# Altium PCB SK-V101-010301.PcbDoc (continued)
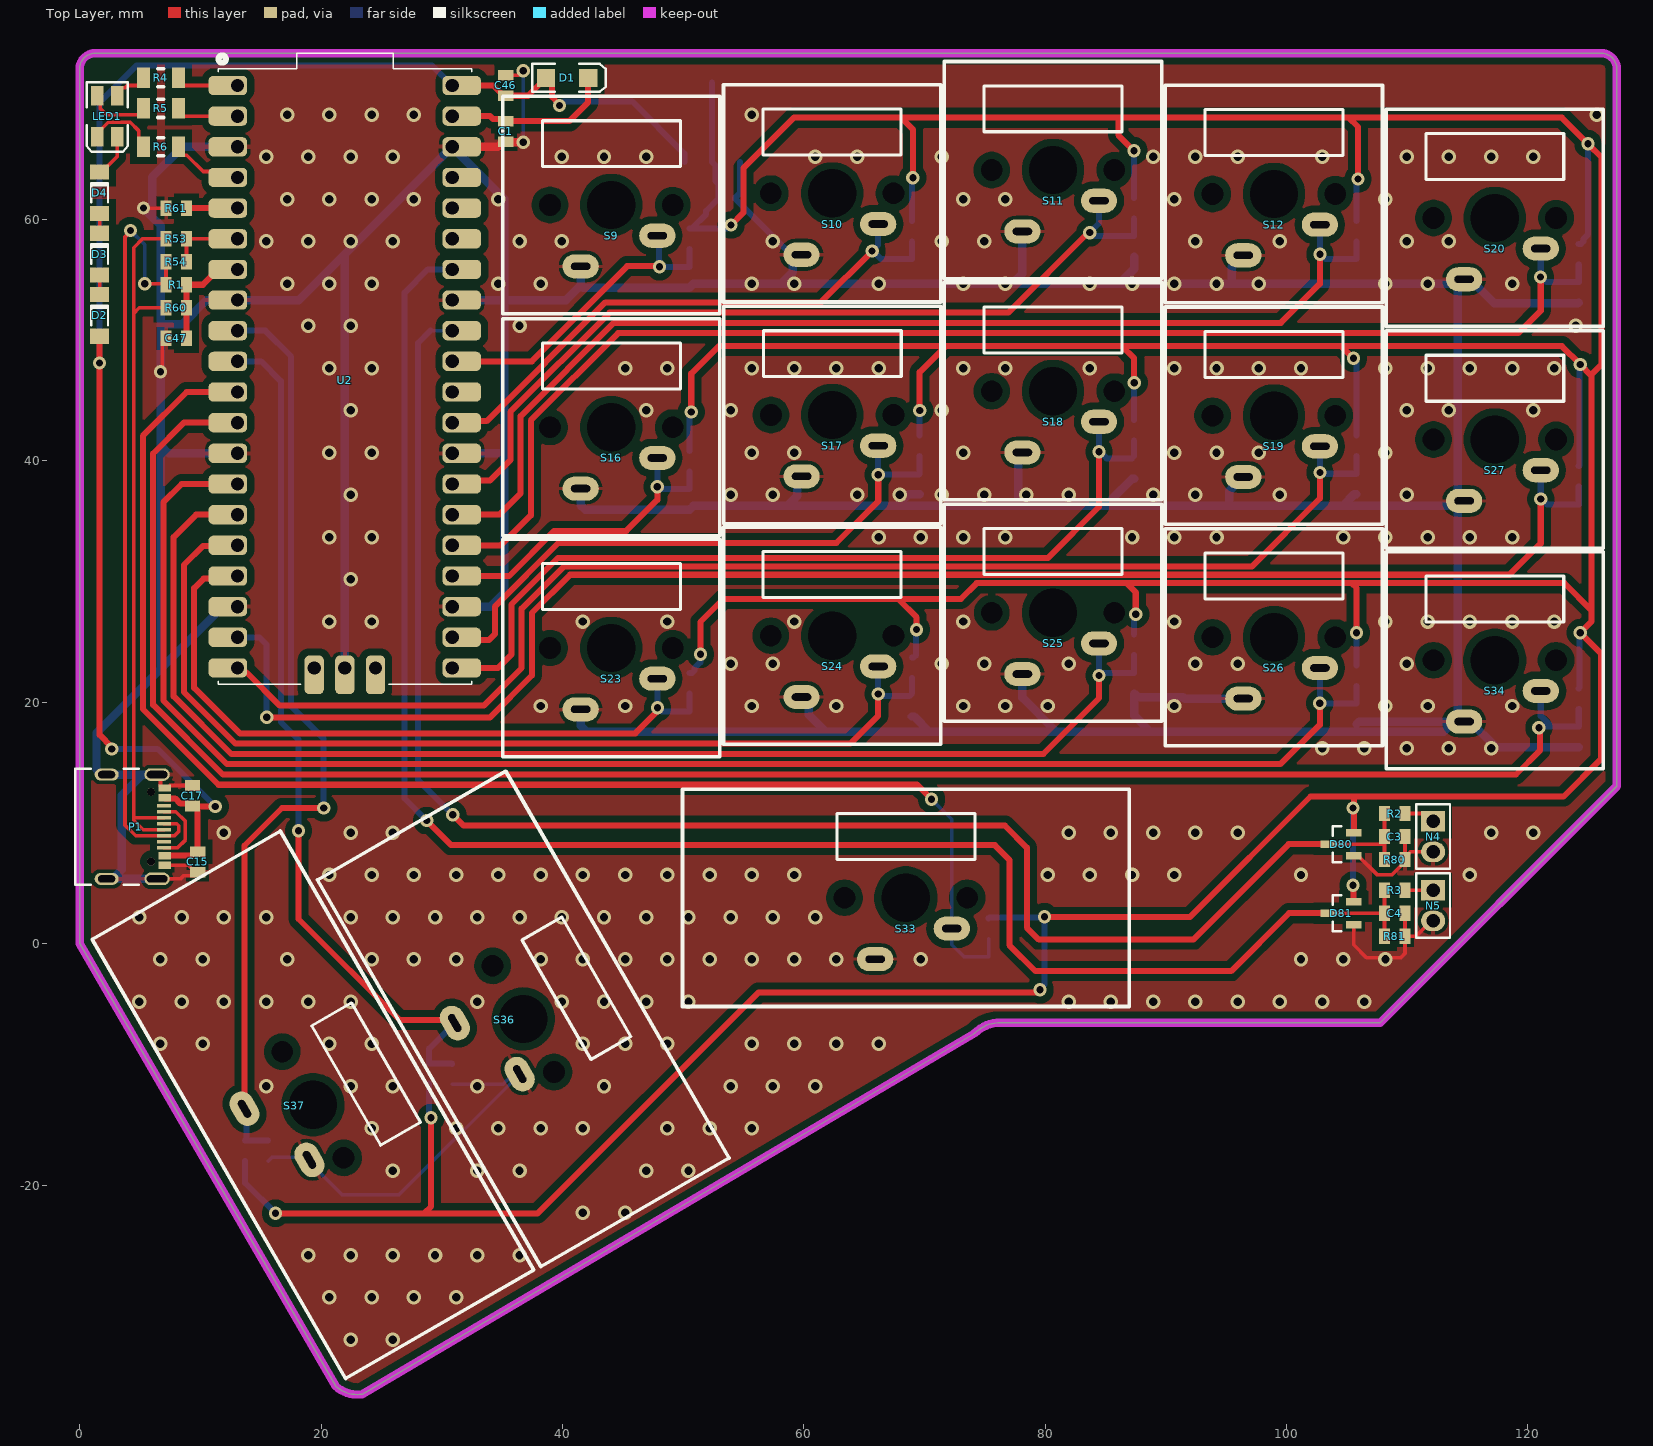
[diagram p0: Top Layer view]
## Footprints (in the part's own frame and the unit in brackets; to place one, negate y for a bottom-side part, rotate by r counter-clockwise, add the part's x,y. Pads: shape width x height; smd on the part's side, far side on the other; paste and mask are expansions set on the pad) (continued)
SMH_MINIMELF [mm] "Metal Electrode Face (MELF) Diode; Body 3.5 x 1.5 mm (LxDia)"
  rect 1.25x1.6 smd: 1(-1.725,0) 2(1.725,0)
  silkscreen extent -0.8,-0.7 0.8,0.7, body extent -1.82,-0.8 1.88,0.8, height 1.6
SMH_MX_SERIES-37MM [mm] "Keyboard mechanical switch"
  oval 3x2 hole 0.6 slot 1.6 at 0 deg: 1(-2.54,-5.08) 2(3.81,-2.54)
  round 1 hole 1.8: 3(5.08,0) 4(-5.08,0)
  round 1 hole 4: 5(0,0)
  silkscreen extent -18.5,-9 18.5,9, body extent -7.82,-7.82 7.78,7.78, height 15.75
SMH_MX_Series-37mm [mm] "Keyboard mechanical switch"
  oval 3x2 hole 0.6 slot 1.6 at 0 deg: 1(-2.54,-5.08) 2(3.81,-2.54)
  round 1 hole 1.8: 3(5.08,0) 4(-5.08,0)
  round 1 hole 4: 5(0,0)
  silkscreen extent -18.5,-9 18.5,9, body extent -7.82,-7.82 7.78,7.78, height 15.75
SMH_MX_Series-42mm [mm] "Keyboard mechanical switch"
  oval 3x2 hole 0.6 slot 1.6 at 0 deg: 1(-2.54,-5.08) 2(3.81,-2.54)
  round 1 hole 1.8: 3(5.08,0) 4(-5.08,0)
  round 1 hole 4: 5(0,0)
  silkscreen extent -21,-9 21,9, body extent -7.82,-7.82 7.78,7.78, height 15.75
SMH_MX_Series_18mm [mm] "Keyboard mechanical switch"
  oval 3x2 hole 0.6 slot 1.6 at 0 deg: 1(-2.54,-5.08) 2(3.81,-2.54)
  round 1 hole 1.8: 3(5.08,0) 4(-5.08,0)
  round 1 hole 4: 5(0,0)
  silkscreen extent -9,-9 9,9, body extent -7.82,-7.82 7.78,7.78, height 15.75
SMH_PICOPI [mm] "Raspberry Pi Pico layout"
  rrect50% 3.2x1.6 smd paste-1 mask+0: 1(-9.69,24.13) 2(-9.69,21.59) 3(-9.69,19.05) 4(-9.69,16.51) 5(-9.69,13.97) 6(-9.69,11.43) 7(-9.69,8.89) 8(-9.69,6.35) 9(-9.69,3.81) 10(-9.69,1.27) 11(-9.69,-1.27) 12(-9.69,-3.81) 13(-9.69,-6.35) 14(-9.69,-8.89) 15(-9.69,-11.43) 16(-9.69,-13.97) 17(-9.69,-16.51) 18(-9.69,-19.05) 19(-9.69,-21.59) 20(-9.69,-24.13) 21(9.69,-24.13) 22(9.69,-21.59) 23(9.69,-19.05) 24(9.69,-16.51) 25(9.69,-13.97) 26(9.69,-11.43) 27(9.69,-8.89) 28(9.69,-6.35) 29(9.69,-3.81) 30(9.69,-1.27) 31(9.69,1.27) 32(9.69,3.81) 33(9.69,6.35) 34(9.69,8.89) 35(9.69,11.43) 36(9.69,13.97) 37(9.69,16.51) 38(9.69,19.05) 39(9.69,21.59) 40(9.69,24.13)
  round 1.6 hole 1.1: 1(-8.89,24.13) 2(-8.89,21.59) 3(-8.89,19.05) 4(-8.89,16.51) 5(-8.89,13.97) 6(-8.89,11.43) 7(-8.89,8.89) 8(-8.89,6.35) 9(-8.89,3.81) 10(-8.89,1.27) 11(-8.89,-1.27) 12(-8.89,-3.81) 13(-8.89,-6.35) 14(-8.89,-8.89) 15(-8.89,-11.43) 16(-8.89,-13.97) 17(-8.89,-16.51) 18(-8.89,-19.05) 19(-8.89,-21.59) 20(-8.89,-24.13) 21(8.89,-24.13) 22(8.89,-21.59) 23(8.89,-19.05) 24(8.89,-16.51) 25(8.89,-13.97) 26(8.89,-11.43) 27(8.89,-8.89) 28(8.89,-6.35) 29(8.89,-3.81) 30(8.89,-1.27) 31(8.89,1.27) 32(8.89,3.81) 33(8.89,6.35) 34(8.89,8.89) 35(8.89,11.43) 36(8.89,13.97) 37(8.89,16.51) 38(8.89,19.05) 39(8.89,21.59) 40(8.89,24.13) D1(-2.54,-24.13) D2(0,-24.13) D3(2.54,-24.13)
  rrect50% 1.6x3.2 smd paste-1 mask+0: D1(-2.54,-24.7) D2(0,-24.7) D3(2.54,-24.7)
  silkscreen extent -10.5,-25.5 10.5,26.8, body extent -10.5,-25.5 10.5,26.8, height 3.73
SMH_RES0805-STD [mm]
  rect 0.9x1.27 smd: 1(-0.85,0) 2(0.85,0)
  body extent -1,-0.63 1,0.63, height 0.6
SMH_SMA [mm] "Diode SMA Package"
  rect 1.5x1.5 smd: 1(-1.75,0) 2(1.75,0)
  silkscreen extent -2.9,-1.15 3.2,1.15, body extent -2.74,-1.4 2.74,1.4, height 2.41
SMH_SOT223 [mm]
  rect 1.1x2.5 smd: 1(-2.3,-3.3) 2(0,-3.3) 3(2.3,-3.3)
  rect 3.8x2.8 smd: 4(0,3.3)
  silkscreen extent -3.3,-1.9 3.4,1.8, body extent -3.25,-3.48 3.25,3.48, height 1.68
SMH_SOT-23 [mm]
  rect 0.6x1.3 smd: 1(-0.95,-1.05) 2(0.95,-1.05) 3(0,1.05)
  silkscreen extent -1.5,0 1.5,0.7, body extent -1.53,-1.32 1.47,1.22, height 1.1
SMH_USB_C [mm] "Type C USB  Connector USB4105-GF-A"
  rect 0.6x1.016 smd: A1_B12(-3.2,4.819) A4_B9(-2.4,4.819) B1_A12(3.2,4.819) B4_A9(2.4,4.819)
  rect 0.3x1.15 smd: A5(-1.25,4.755) A6(-0.25,4.755) A7(0.25,4.755) A8(1.25,4.755) B5(1.75,4.755) B6(0.75,4.755) B7(-0.75,4.755) B8(-1.75,4.755)
  oval 1.05x2.1 hole 0.6 slot 1.7 at 90 deg: S1(-4.32,4.18) S4(4.32,4.18)
  oval 1x2 hole 0.6 slot 1.4 at 90 deg: S2(-4.32,0) S3(4.32,0)
  round 0.65 hole 0.65 unplated: ""(-2.89,3.68) ""(2.89,3.68)
  silkscreen extent -4.79,-2.6 4.79,2.65, body extent -4.79,-2.51 4.79,5.21, height 3.31

## Part data
C1 C3 C4 C7 C8 C9 C10 C11 C12 C13 C14 C15 C16 C17 C18 C19 C20 C21 C22 C23 C24 C25 C26 C46 C47: library part Cap, "Capacitor", LatestRevisionDate=17-Jul-2002, LatestRevisionNote="Re-released for DXP Platform.", PackageReference=RAD-0.3, Published=8-Jun-2000, Publisher="Altium Limited"
C5: library part "Cap Semi", "Capacitor (Semiconductor SIM Model)", LatestRevisionDate=29-May-2009, LatestRevisionNote="IPC-7351 Footprint Added.", PackageDescription="Chip Capacitor", PackageReference=C1206, Published=8-Jun-2000, Publisher="Altium Limited"
D1: "1 Amp General Purpose Rectifier", Code_JEDEC=DO-204-AL, ComponentLink1Description="Manufacturer Link", ComponentLink1URL=http://www.fairchildsemi.com/, ComponentLink2Description=Datasheet, ComponentLink2URL=http://www.fairchildsemi.com/ds/1N%2F1N4001.pdf, DatasheetVersion=1998, LatestRevisionDate=17-Jul-2002, LatestRevisionNote="Re-released for DXP Platform.", PackageDescription="Diode, Axial; Body 5.2 x 2.7 mm (LxDia. max), Lead Dia. 0.86 mm (max)", PackageReference=DO-41, PackageVersion=Aug-1999, Published=8-Jun-2000, Publisher="Altium Limited"
D2 D3 D4: library part "Diode 1N4004", "1 Amp General Purpose Rectifier", Code_JEDEC=DO-204-AL, ComponentLink1Description="Manufacturer Link", ComponentLink1URL=http://www.fairchildsemi.com/, ComponentLink2Description=Datasheet, ComponentLink2URL=http://www.fairchildsemi.com/ds/1N%2F1N4001.pdf, DatasheetVersion=1998, LatestRevisionDate=17-Jul-2002, LatestRevisionNote="Re-released for DXP Platform.", PackageDescription="Diode, Axial; Body 5.2 x 2.7 mm (LxDia. max), Lead Dia. 0.86 mm (max)", PackageReference=DO-41, PackageVersion=Aug-1999, Published=8-Jun-2000, Publisher="Altium Limited"
LED1: library part "LED RGB"
N4 N5: "Header, 2-Pin", LatestRevisionDate=17-Jul-2002, LatestRevisionNote="Re-released for DXP Platform.", Publisher="Altium Limited"
R1 R7 R9 R11 R12 R13 R14 R15 R16 R17 R18 R19 R20 R21 R22 R23 R24 R25 R26 R53 R54 R60 R61: library part Res2, "Resistor", LatestRevisionDate=17-Jul-2002, LatestRevisionNote="Re-released for DXP Platform.", PackageDescription="Axial Device, Thru-Hole; 2 Leads; 0.4 in Pin Spacing", PackageReference=AXIAL-0.4, Published=8-Jun-2000, Publisher="Altium Limited"
R2 R3 R4 R5 R6 R80 R81: library part Res1, "Resistor", LatestRevisionDate=17-Jul-2002, LatestRevisionNote="Re-released for DXP Platform.", PackageDescription="Axial Device, Thru-Hole; 2 Leads; 0.3 in Pin Spacing", PackageReference=AXIAL-0.3, Published=8-Jun-2000, Publisher="Altium Limited"
S9 S10 S11 S12 S16 S17 S18 S19 S20 S23 S24 S25 S26 S27 S33 S34 S36 S37: "Switch", LatestRevisionDate=17-Jul-2002, LatestRevisionNote="Re-released for DXP Platform.", PackageDescription="Switch; 2 Leads", PackageReference=SPST-2, Published=24-Mar-1999, Publisher="Altium Limited"
U1: "800mA Low-Dropout Linear Regulator, 4-pin SOT-223", Manufacturer="National Semiconductor", PackageTopMarking=XYTT*N05A, PowerWise=N, Supplier Part Number 1=9778195, Code_IPC=SOT223-4, Code_JEDEC=TO-261-AA, ComponentLink1Description="LM1117 Datasheet", ComponentLink1URL=http://www.national.com/ds/LM/LM1117.pdf, ComponentLink2Description="LM1117 Web Page", ComponentLink2URL=http://www.national.com/pf/LM/LM1117.html, ComponentLink3Description="MP04A Package Page", ComponentLink3URL=http://www.national.com/packaging/folders/mp04a.html, CompType="LDO IC", DatasheetVersion=Apr-2006, PackageDescription="Molded SOT-223, 6.50 x 3.56 x 1.6mm Body, 4 Lead, 2.3mm Pitch", PackageReference=MP04A, PackageVersion="revB, Apr-2003", PartNumber=LM1117MP-3.3, PinCount=4, Published=4-Dec-2008, Publisher="Altium Limited", RoHS=N, Supplier 1=Farnell, Supplier 2=Farnell, Supplier Part Number 2=9778195RL
U2: library part "PICO Pi"

## Via types
v1: diameter 1.2, hole 0.7, Top Layer to Bottom Layer, 295 vias
v2: diameter 1.1, hole 0.6, Top Layer to Bottom Layer, tented both sides, 52 vias

## Nets (pads, with @x,y where several pads share a name; then routed paths per layer and width w, separated by ;. In a path a pad name is that pad's centre, name@x,y a point inside that pad or via, vN(x,y) a via of type N, cw(c..) or ccw(c..) an arc to the next point about the centre after c; other vN are vias at no path point)
3V3: C5.2 D80.2 D81.2 R7.1 R9.1 R11.1 R12.1 R13.1 R14.1 R15.1 R16.1 R17.1 R18.1 R19.1 R20.1 R21.1 R22.1 R23.1 R24.1 R25.1 R26.1 U1.2 U1.4 | length 559
  Top Layer w0.5: v2(16.231,-22.343) 28.55,-22.343 ; v2(29.108,-14.418) 29.108,-21.784 28.55,-22.343 ; v2(50.673,44.053) 50.673,47.228 52.959,49.514 71.755,49.514 ; v2(51.435,23.987) 51.435,26.654 53.34,28.559 67.818,28.559 ; v2(53.975,59.547) 54.991,60.563 54.991,64.246 59.182,68.437 68.065,68.437 ; v2(69.037,63.459) 69.037,67.465 68.065,68.437 ; v2(69.342,26.019) 69.342,27.035 67.818,28.559 ; v2(69.596,44.18) 69.596,47.355 71.755,49.514 ; v2(79.578,-3.826) 79.35,-4.055 56.236,-4.055 37.948,-22.343 28.55,-22.343 ; v2(79.934,2.219) 92.008,2.219 101.981,12.192 105.571,12.192 ; v2(87.351,65.694) 86.055,66.989 86.055,68.437 ; v2(87.376,46.466) 87.376,48.503 86.365,49.514 ; v2(87.503,27.289) 87.503,29.104 86.741,29.866 ; v2(105.512,4.835) 105.541,4.806 105.541,3.524 105.512,3.524 105.562,3.474 D81.2 ; v2(105.512,11.236) v2@105.571,11.296 ; v2(105.537,48.498) 104.521,49.514 ; D80.2 v2@105.571,11.296 ; v2(105.791,25.765) 105.791,29.485 105.41,29.866 ; v2(105.918,63.357) 105.918,67.675 105.156,68.437 ; 67.818,28.559 73.009,28.559 74.316,29.866 86.741,29.866 ; 68.065,68.437 86.055,68.437 ; 71.755,49.514 86.365,49.514 ; 86.055,68.437 105.156,68.437 ; 86.365,49.514 104.521,49.514 ; 86.741,29.866 105.41,29.866 ; 104.521,49.514 122.809,49.514 v2(124.333,47.99) 125.253,47.07 ; 105.156,68.437 122.809,68.437 v2(124.968,66.278) 126.111,65.135 126.111,48.006 125.253,47.148 125.253,47.07 ; 105.41,29.866 123.026,29.866 125.253,27.639 ; v2@105.571,11.296 105.571,12.192 ; 105.571,12.192 122.952,12.192 126.035,15.275 126.035,24.063 v2(124.333,25.765) 125.253,26.685 125.253,27.639 ; 125.253,27.639 125.253,47.07
  Bottom Layer w0.5: R17.1 13.716,-19.828 v2(16.231,-22.343) ; R15.1 28.96,-14.269 v2(29.108,-14.418) ; R13.1 50.731,22.424 50.931,22.624 50.931,22.809 51.435,23.313 v2(51.435,23.987) ; R11.1 50.546,43.926 v2(50.673,44.053) ; R7.1 R7.1@50.731,59.254 ; U1.4 U1.2 52.7,64.456 52.7,63.176 52.919,62.957 C5.2 52.919,61.707 51.913,60.7 51.913,60.436 R7.1@50.731,59.254 ; v2(53.975,59.547) 53.682,59.254 R7.1@50.731,59.254 ; R23.1 69.085,23.694 69.285,23.894 69.285,25.962 v2(69.342,26.019) ; R19.1 68.961,63.382 v2(69.037,63.459) ; R21.1 v2(69.596,44.18) ; R20.1 75.369,2.162 79.876,2.162 v2(79.934,2.219) 79.934,-3.389 79.578,-3.745 v2(79.578,-3.826) ; v2(87.351,65.694) 87.376,65.668 R26.1 ; R25.1 87.376,27.162 v2(87.503,27.289) ; R24.1 v2(87.376,46.466) ; v2(105.512,4.835) v2(105.512,11.236) ; v2(105.537,48.498) 105.791,48.244 R14.1 ; R9.1 v2(105.791,25.765) ; R12.1 105.791,63.23 v2(105.918,63.357) ; R22.1 124.276,21.224 124.276,25.708 v2(124.333,25.765) ; R18.1 124.276,39.639 124.276,47.933 v2(124.333,47.99) ; R16.1 124.391,57.984 124.591,58.184 124.591,58.369 124.968,58.746 v2(124.968,66.278)
5V: C15.1 C17.1 C46.1 D1.1 D2.1 P1.A4_B9 P1.B4_A9 U1.3 U2.40 | length 132.7
  Top Layer w0.5: D2.1 v2(1.651,48.117) 1.651,17.305 2.667,16.289 v2(2.667,16.129) ; P1.B4_A9 9.265,7.287 9.594,7.616 C15.1 9.779,10.97 9.732,11.017 9.732,11.202 C17.1@9.552,11.383 ; P1.A4_B9 7.104,12.037 7.912,12.037 8.346,11.602 9.147,11.602 C17.1 ; C17.1@9.367,11.383 C17.1@9.552,11.383 ; v2(11.227,11.363) 11.207,11.383 C17.1@9.552,11.383 ; U2.40@31.661,71.104 34.271,71.104 35.121,70.254 C46.1 37.151,70.254 D1.1 39.136,71.239 39.136,70.149 39.751,69.534 v2(39.751,69.453)
  Bottom Layer w0.5: v2(1.651,48.117) 1.651,69.707 4.699,72.755 29.21,72.755 U2.40@30.861,71.104 ; v2(2.667,16.129) 6.461,16.129 v2(11.227,11.363) ; v2(39.751,69.453) 40.081,69.783 45.773,69.783 50.1,65.456 U1.3
AD_2: C3.1 D80.3 R2.2 R80.2 U2.32 | length 136
  Top Layer w0.3: D80.3 108.001,8.239 108.116,8.124 ; R80.2 108.116,8.124 ; R2.2 C3.1 108.116,8.124
  Top Layer w0.5: v2(30.912,10.677) 31.81,9.779 76.667,9.779 78.486,7.96 78.486,1.33 79.477,0.34 92.278,0.34 100.178,8.239 D80.3
  Bottom Layer w0.3: 29.058,50.784 U2.32@30.861,50.784
  Bottom Layer w0.5: 29.058,50.784 28.042,49.768 28.042,13.548 v2(30.912,10.677)
AD_3: C4.1 D81.3 R3.2 R81.2 U2.34 | length 143.7
  Top Layer w0.3: D81.3 C4.1 ; R81.2 C4.1 ; R3.2 C4.1
  Top Layer w0.5: v2(28.753,10.195) 30.785,8.163 75.819,8.163 77.038,6.944 77.038,-0.118 79.197,-2.277 95.402,-2.277 100.203,2.524 D81.3
  Bottom Layer w0.5: v2(28.753,10.195) 26.924,12.024 26.924,53.934 28.854,55.864 U2.34@30.861,55.864
GND: C1.2 C3.2 C4.2 C5.1 C7.2 C8.2 C9.2 C10.2 C11.2 C12.2 C13.2 C14.2 C15.2 C16.2 C17.2 C18.2 C19.2 C20.2 C21.2 C22.2 C23.2 C24.2 C25.2 C26.2 C46.2 C47.2 D80.1 D81.1 N4.2 N5.2 P1.A1_B12 P1.B1_A12 P1.S1 P1.S2 P1.S3 P1.S4 R61.2 R80.1 R81.1 S9.1 S10.1 S11.1 S12.1 S16.1 S17.1 S18.1 S19.1 S20.1 S23.1 S24.1 S25.1 S26.1 S27.1 S33.1 S34.1 S36.2 S37.2 U1.1 U2.3 U2.8 U2.13 U2.18 U2.23 U2.28 U2.33 U2.38 U2.D2 | length 658.8
  Top Layer w0.3: v2(5.283,60.944) R61.2 ; P1.S4 8.355,5.367 8.604,5.616 9.479,5.616 C15.2 9.594,5.916 9.023,6.487 P1.B1_A12 ; P1.S1 6.696,13.726 6.696,13.037 6.846,12.887 P1.A1_B12 7.262,12.887 7.477,13.102 C17.2 ; v2@6.851,47.661 6.851,49.849 C47.2 ; C46.2 36.385,71.954 v2(36.754,72.323) ; D81.1 105.571,-0.101 106.629,-1.159 109.449,-1.159 109.816,-0.792 R81.1 ; D80.1 105.921,7.289 107.486,5.724 108.756,5.724 109.816,6.784 R80.1 R80.1@109.816,7.154 ; C4.2 R81.1 ; C3.2 R80.1@109.816,7.154 ; N5.2 111.991,1.889 110.721,0.619 R81.1 ; N4.2 110.266,7.604 R80.1@109.816,7.154
  Top Layer w0.7: U2.38@31.661,66.024 34.701,66.024 35.121,66.444 C1.2 35.345,66.405 v2(36.754,66.405)
  Bottom Layer w0.3: C16.2 15.921,-17.711 18.83,-17.711 S37.2 19.035,-18.098 21.755,-20.819 26.449,-20.819 S36.2 35.93,-10.809 35.078,-11.661 C13.2 ; v2(36.754,66.405) v2(36.754,72.323)
  Bottom Layer w0.5: U1.1 54.7,62.188 54.319,61.807 C5.1 54.319,61.707 58.943,57.083 S10.1
  Bottom Layer w0.7: P1.S3 P1.S3@2.735,5.367 ; v2(5.283,60.944) 6.007,60.22 ; P1.S4 P1.S3@2.735,5.367 ; P1.S1 5.207,14.007 ; U2.18@13.081,27.924 13.05,27.893 11.831,27.893 6.731,22.793 ; U2.13@13.081,40.624 7.366,40.624 6.731,41.259 ; U2.3@13.081,66.024 8.509,66.024 6.007,63.522 6.007,60.22 ; U2.D2@21.971,22.844 21.971,57.134 ; U2.23@30.861,27.924 34.036,27.924 35.179,29.067 35.179,40.624 ; U2.28@30.861,40.624 35.179,40.624 ; U2.33@30.861,53.324 35.179,53.324 ; S23.1 41.51,18.062 42.023,17.549 C11.2 61.824,17.549 ; S16.1 41.51,36.325 41.871,35.964 C9.2 50.846,36.264 58.623,36.264 ; S9.1 41.51,54.535 ; S24.1 60.392,19.85 60.392,18.981 61.824,17.549 ; S10.1 59.078,56.351 59.078,55.633 58.124,54.679 ; S17.1 59.467,38.369 59.467,37.108 58.623,36.264 ; C23.2 69.146,18.819 70.416,17.549 ; C21.2 68.686,37.234 67.716,36.264 ; S25.1 78.11,20.389 80.95,17.549 ; S18.1 77.724,40.314 77.775,40.263 77.775,36.264 ; S11.1 78.11,55.522 v1@77.267,54.679 ; C24.2 87.191,38.504 85.547,36.86 85.547,36.264 ; C26.2 87.376,55.924 86.131,54.679 ; S26.1 91.553,20.304 91.433,20.424 87.676,20.424 C25.2 87.376,18.895 88.722,17.549 ; S19.1 96.37,38.668 95.585,37.883 95.585,37.843 95.25,37.508 95.25,36.264 ; S12.1 96.37,57.032 95.585,56.247 95.585,56.207 95.453,56.075 95.453,54.679 ; C8.2 106.006,18.399 S34.1@113.86,18.399 ; C12.2 105.606,37.234 104.636,36.264 ; C22.2 117.33,16.279 115.21,18.399 S34.1 ; C14.2 124.142,53.045 117.217,53.045 115.21,55.051 S20.1 ; P1.S3@2.735,5.367 3.505,6.137 3.505,12.305 5.207,14.007 ; 5.207,14.007 1.816,14.007 1.397,14.426 1.397,17.459 6.731,22.793 ; 6.007,60.22 6.731,59.496 6.731,51.317 ; 6.731,22.793 6.731,41.259 ; 6.731,41.259 6.731,51.317 ; 6.731,51.317 8.509,51.317 10.516,53.324 13.081,53.324 18.161,53.324 21.971,57.134 ; 21.971,57.134 30.861,66.024 35.179,61.706 35.179,53.324 ; 35.179,40.624 35.179,53.324 ; 35.179,53.324 40.3,53.324 41.51,54.535 ; 41.51,54.535 41.686,54.359 50.526,54.359 C7.2 50.846,54.679 58.124,54.679 ; 58.124,54.679 v1@77.267,54.679 ; 58.623,36.264 67.716,36.264 ; 61.824,17.549 70.416,17.549 ; 67.716,36.264 77.775,36.264 ; 70.416,17.549 80.95,17.549 ; v1@77.267,54.679 86.131,54.679 ; 77.775,36.264 85.547,36.264 ; 80.95,17.549 88.722,17.549 ; 85.547,36.264 95.25,36.264 ; 86.131,54.679 95.453,54.679 ; 88.722,17.549 113.01,17.549 S34.1@113.86,18.399 ; 95.25,36.264 104.636,36.264 ; 95.453,54.679 113.378,54.679 113.75,55.051 S20.1 ; 104.636,36.264 113.327,36.264 113.75,36.687 S27.1 ; S34.1@113.86,18.399 S34.1 ; S34.1 114.173,18.936 114.173,36.15 S27.1 ; S27.1 114.173,37.224 114.173,54.514 S20.1
  other v1: 22.444,-32.81 25.944,-32.81 20.694,-29.31 24.194,-29.31 27.694,-29.31 31.194,-29.31 18.944,-25.81 22.444,-25.81 25.944,-25.81 29.444,-25.81 32.944,-25.81 36.444,-25.81 41.694,-22.31 45.194,-22.31 25.944,-18.81 32.944,-18.81 36.444,-18.81 46.944,-18.81 50.444,-18.81 24.194,-15.31 31.194,-15.31 34.694,-15.31 38.194,-15.31 41.694,-15.31 48.694,-15.31 52.194,-15.31 55.694,-15.31 15.444,-11.81 22.444,-11.81 25.944,-11.81 32.944,-11.81 43.444,-11.81 53.944,-11.81 57.444,-11.81 60.944,-11.81 6.694,-8.31 10.194,-8.31 20.694,-8.31 24.194,-8.31 41.694,-8.31 45.194,-8.31 48.694,-8.31 55.694,-8.31 59.194,-8.31 62.694,-8.31 66.194,-8.31 4.944,-4.81 8.444,-4.81 11.944,-4.81 15.444,-4.81 18.944,-4.81 22.444,-4.81 32.944,-4.81 39.944,-4.81 43.444,-4.81 46.944,-4.81 50.444,-4.81 81.944,-4.81 85.444,-4.81 88.944,-4.81 92.444,-4.81 95.944,-4.81 99.444,-4.81 102.944,-4.81 106.444,-4.81 6.694,-1.31 10.194,-1.31 17.194,-1.31 24.194,-1.31 27.694,-1.31 31.194,-1.31 38.194,-1.31 41.694,-1.31 45.194,-1.31 48.694,-1.31 52.194,-1.31 55.694,-1.31 59.194,-1.31 62.694,-1.31 69.694,-1.31 101.194,-1.31 104.694,-1.31 108.194,-1.31 4.944,2.19 8.444,2.19 11.944,2.19 15.444,2.19 22.444,2.19 25.944,2.19 29.444,2.19 32.944,2.19 36.444,2.19 39.944,2.19 43.444,2.19 46.944,2.19 50.444,2.19 53.944,2.19 57.444,2.19 60.944,2.19 20.694,5.69 24.194,5.69 27.694,5.69 31.194,5.69 34.694,5.69 38.194,5.69 41.694,5.69 45.194,5.69 48.694,5.69 52.194,5.69 55.694,5.69 59.194,5.69 80.194,5.69 83.694,5.69 87.194,5.69 90.694,5.69 101.194,5.69 115.194,5.69 11.944,9.19 22.444,9.19 25.944,9.19 81.944,9.19 85.444,9.19 88.944,9.19 92.444,9.19 95.944,9.19 116.944,9.19 120.444,9.19 102.944,16.19 106.444,16.19 109.944,16.19 113.444,16.19 116.944,16.19 38.194,19.69 45.194,19.69 55.694,19.69 62.694,19.69 73.194,19.69 76.694,19.69 80.194,19.69 90.694,19.69 108.194,19.69 111.694,19.69 118.694,19.69 53.944,23.19 57.444,23.19 71.444,23.19 74.944,23.19 81.944,23.19 92.444,23.19 95.944,23.19 109.944,23.19 20.694,26.69 24.194,26.69 41.694,26.69 48.694,26.69 59.194,26.69 73.194,26.69 90.694,26.69 108.194,26.69 111.694,26.69 115.194,26.69 118.694,26.69 122.194,26.69 22.444,30.19 20.694,33.69 24.194,33.69 66.194,33.69 69.694,33.69 73.194,33.69 76.694,33.69 87.194,33.69 90.694,33.69 94.194,33.69 104.694,33.69 108.194,33.69 111.694,33.69 115.194,33.69 118.694,33.69 22.444,37.19 53.944,37.19 57.444,37.19 64.444,37.19 67.944,37.19 71.444,37.19 74.944,37.19 78.444,37.19 81.944,37.19 88.944,37.19 92.444,37.19 99.444,37.19 109.944,37.19 20.694,40.69 24.194,40.69 55.694,40.69 59.194,40.69 73.194,40.69 90.694,40.69 94.194,40.69 97.694,40.69 108.194,40.69 22.444,44.19 46.944,44.19 53.944,44.19 71.444,44.19 109.944,44.19 113.444,44.19 120.444,44.19 20.694,47.69 24.194,47.69 45.194,47.69 48.694,47.69 55.694,47.69 59.194,47.69 62.694,47.69 66.194,47.69 73.194,47.69 76.694,47.69 83.694,47.69 90.694,47.69 94.194,47.69 97.694,47.69 101.194,47.69 108.194,47.69 111.694,47.69 115.194,47.69 118.694,47.69 122.194,47.69 18.944,51.19 22.444,51.19 36.444,51.19 123.944,51.19 17.194,54.69 20.694,54.69 24.194,54.69 34.694,54.69 38.194,54.69 55.694,54.69 59.194,54.69 66.194,54.69 73.194,54.69 76.694,54.69 83.694,54.69 87.194,54.69 90.694,54.69 94.194,54.69 97.694,54.69 108.194,54.69 111.694,54.69 118.694,54.69 15.444,58.19 18.944,58.19 22.444,58.19 25.944,58.19 36.444,58.19 39.944,58.19 57.444,58.19 71.444,58.19 74.944,58.19 92.444,58.19 99.444,58.19 109.944,58.19 113.444,58.19 17.194,61.69 20.694,61.69 24.194,61.69 27.694,61.69 34.694,61.69 73.194,61.69 76.694,61.69 90.694,61.69 108.194,61.69 15.444,65.19 18.944,65.19 22.444,65.19 25.944,65.19 39.944,65.19 43.444,65.19 46.944,65.19 60.944,65.19 64.444,65.19 71.444,65.19 88.944,65.19 92.444,65.19 95.944,65.19 102.944,65.19 109.944,65.19 113.444,65.19 116.944,65.19 120.444,65.19 17.194,68.69 20.694,68.69 24.194,68.69 27.694,68.69 55.694,68.69 125.694,68.69
  other v2: 6.706,47.38
Key1: C25.1 R25.2 S25.2 U2.15 | length 108
  Top Layer w0.5: U2.15@12.281,35.544 9.652,35.544 7.782,33.674 7.782,20.497 12.562,15.717 79.842,15.717 84.46,20.335 v2@84.46,22.209
  Bottom Layer w0.5: S25.2 84.46,22.214 v2(84.455,22.209) 84.536,22.209 84.751,22.424 C25.1 R25.2
Key2: C23.1 R23.2 S24.2 U2.16 | length 83.6
  Top Layer w0.5: U2.16@12.281,33.004 12.243,32.966 10.224,32.966 8.632,31.375 8.632,20.849 12.915,16.567 63.852,16.567 66.16,18.875 v2(66.16,20.692) v2@66.294,20.558
  Bottom Layer w0.5: S24.2 v2(66.16,20.692) 66.241,20.692 66.414,20.519 68.761,20.519 68.961,20.719 R23.2
Key3: C21.1 R21.2 S17.2 U2.22 | length 51
  Top Layer w0.5: U2.22@30.861,25.384 31.071,25.174 31.686,25.174 31.704,25.155 33.903,25.155 34.417,25.669 34.417,27.949 39.667,33.199 62.704,33.199 66.167,36.662 v2(66.167,38.846)
  Bottom Layer w0.5: S17.2@66.16,41.259 66.164,41.256 66.164,38.849 v2(66.167,38.846) 66.211,38.89 69.552,38.89 C21.1 R21.2
Key4: C19.1 R19.2 S10.2 U2.29 | length 47.4
  Top Layer w0.5: U2.29@31.661,43.164 31.792,43.295 33.718,43.295 43.554,53.131 61.418,53.131 v2@65.667,57.38
  Bottom Layer w0.5: S10.2 66.16,57.889 v2(65.659,57.388) 65.74,57.388 66.414,56.714 C19.1 R19.2
Key5: C16.1 R17.2 S37.1 U2.9 | length 78.1
  Top Layer w0.5: S37.1@13.66,-13.637 13.66,8.132 16.764,11.236 v2(20.218,11.236)
  Bottom Layer w0.5: U2.9@13.081,50.784 15.392,50.784 17.526,48.65 17.526,19.669 20.218,16.977 v2(20.218,11.236) ; S37.1 13.813,-13.839 13.813,-16.214 R17.2 C16.1
Key6: C13.1 R15.2 S36.1 U2.10 | length 72.2
  Top Layer w0.5: v2(18.136,9.357) 18.136,2.041 26.506,-6.329 30.834,-6.329 S36.1
  Bottom Layer w0.5: U2.10@13.081,48.244 15.037,48.244 16.676,46.605 16.676,18.363 18.136,16.903 v2(18.136,9.357) ; C13.1 30.825,-9.925 28.996,-9.925 R15.2 28.96,-8.704 S36.1 S36.1@31.024,-6.518
Key7: C11.1 R13.2 S23.2 U2.17 | length 58.9
  Top Layer w0.5: U2.17@12.281,30.464 12.063,30.246 10.272,30.246 9.482,29.456 9.482,21.201 13.267,17.417 46.033,17.417 v2@47.86,19.244
  Bottom Layer w0.5: S23.2 47.86,19.561 v2(47.879,19.542) 47.96,19.542 48.253,19.249 C11.1 R13.2
Key8: C9.1 R11.2 S16.2 U2.24 | length 27.3
  Top Layer w0.5: U2.24@30.861,30.464 35.585,30.464 39.319,34.198 45.288,34.198 47.86,36.77 v2(47.86,37.849) v2@47.879,37.83
  Bottom Layer w0.5: S16.2 v2(47.86,37.849) 47.941,37.849 48.126,37.664 C9.1 R11.2
Key9: C7.1 R7.2 S9.2 U2.31 | length 26.5
  Top Layer w0.5: U2.31@31.661,48.244 37.465,48.244 45.357,56.136 47.988,56.136 v2(48.045,56.079)
  Bottom Layer w0.5: S9.2 48.006,58.512 48.006,56.499 v2@48.426,56.079 ; v2(48.045,56.079) v2@48.426,56.079 ; R7.2 C7.1 v2@48.426,56.079
Key10: C26.1 R26.2 S11.2 U2.27 | length 71.2
  Top Layer w0.5: U2.27@31.661,38.084 31.966,38.389 34.011,38.389 35.685,40.063 35.685,44.06 43.906,52.281 76.937,52.281 v2@83.631,58.974
  Bottom Layer w0.5: S11.2 84.46,59.679 v2(83.693,58.912) 83.986,58.619 C26.1 R26.2
Key11: C24.1 R24.2 S18.2 U2.21 | length 72.3
  Top Layer w0.5: U2.21@31.661,22.844 34.671,22.844 35.77,23.943 35.77,28.1 39.636,31.966 80.242,31.966 84.46,36.184 v2@84.46,40.751
  Bottom Layer w0.5: S18.2 84.46,40.756 v2(84.455,40.751) 84.536,40.751 85.083,40.204 87.176,40.204 87.376,40.404 R24.2
Key12: C22.1 R22.2 S34.2 U2.12 | length 156.2
  Top Layer w0.5: U2.12@12.281,43.164 8.636,43.164 6.082,40.61 6.082,19.792 11.858,14.017 119.011,14.017 121.006,16.011 v2@121.006,17.891
  Bottom Layer w0.5: v2(120.904,17.891) 120.992,17.979 121.959,17.979 ; S34.2 121.06,18.878 121.959,17.979 ; R22.2 C22.1 121.959,17.979
Key13: C20.1 R20.2 S33.2 U2.11 | length 117.3
  Top Layer w0.5: U2.11@12.281,45.704 8.865,45.704 5.232,42.072 5.232,19.44 11.506,13.167 69.393,13.167 v2(70.587,11.973)
  Bottom Layer w0.3: v2(70.587,11.973) 72.263,10.296 S33.2 72.263,-0.092 73.242,-1.071 C20.1 R20.2
Key14: C18.1 R18.2 S27.2 U2.19 | length 134.9
  Top Layer w0.5: U2.19@11.481,25.384 U2.19@12.281,25.384 ; v2(15.494,18.755) 34.011,18.755 37.47,22.214 37.47,27.396 40.64,30.566 118.466,30.566 121.06,33.16 v2(121.06,36.843)
  Bottom Layer w0.5: U2.19@13.081,25.384 14.884,25.384 15.494,24.774 v2(15.494,18.755) ; S27.2 v2(121.06,36.843) 121.141,36.843 121.591,36.394 C18.1 R18.2
Key15: C14.1 R16.2 S20.2 U2.25 | length 112
  Top Layer w0.5: U2.25@31.661,33.004 34.9,33.004 37.385,35.49 37.385,43.356 44.61,50.581 119.202,50.581 121.06,52.439 v2@121.06,55.229
  Bottom Layer w0.5: S20.2 121.06,55.258 v2(121.031,55.229) 121.112,55.229 121.532,54.809 C14.1 R16.2
Key16: C12.1 R14.2 S19.2 U2.20 | length 110.1
  Top Layer w0.5: U2.20@13.081,22.844 13.379,22.844 13.786,22.436 13.865,22.436 16.586,19.715 33.498,19.715 36.62,22.837 36.62,27.748 40.138,31.266 97.144,31.266 102.76,36.882 v2(102.76,39.045)
  Bottom Layer w0.5: S19.2 v2(102.76,39.045) 102.649,38.934 C12.1 R14.2
Key17: C10.1 R12.2 S12.2 U2.26 | length 92.4
  Top Layer w0.5: U2.26@31.661,35.544 34.773,35.544 36.535,37.307 36.535,43.708 44.258,51.431 99.529,51.431 102.76,54.662 v2(102.76,57.117)
  Bottom Layer w0.5: S12.2 v2(102.76,57.117) 102.841,57.117 103.245,56.714 C10.1 R12.2
Key18: C8.1 R9.2 S26.2 U2.14 | length 131
  Top Layer w0.5: U2.14@12.281,38.084 8.458,38.084 6.932,36.558 6.932,20.145 12.21,14.867 99.49,14.867 102.76,18.137 102.76,19.906 v2(102.743,19.923)
  Bottom Layer w0.5: S26.2 102.752,22.835 102.752,19.932 v2(102.743,19.923) 102.782,19.884 C8.1 R9.2
LED1_B: R4.2 U2.1 | length 4.9
  Top Layer w0.3: R4.2@8.181,71.104 12.281,71.104 U2.1@13.081,71.104
LED1_G: R5.2 U2.2 | length 4.1
  Top Layer w0.3: R5.2@8.181,68.564 U2.2@12.281,68.564
LED1_R: R6.2 U2.4 | length 5.3
  Top Layer w0.3: R6.2 8.181,65.724 8.581,65.324 8.881,65.324 10.231,63.974 11.791,63.974 U2.4@12.281,63.484
MISO: P1.A6 P1.B6 R1.1 R54.2 | length 64.8
  Top Layer w0.3: v2(4.216,59.09) 4.216,59.014 3.759,58.556 3.759,9.814 4.636,8.937 P1.B6 7.861,8.937 8.208,9.284 8.208,9.761 8.032,9.937 P1.A6 ; v2(5.385,54.67) 7.075,54.67 R1.1 R54.2
  Bottom Layer w0.3: v2(4.216,59.09) 5.385,57.921 v2(5.385,54.67)
MOSI: P1.A7 P1.B7 R53.2 R60.1 | length 58.7
  Top Layer w0.3: P1.A7 5.258,9.437 4.47,10.224 4.47,10.437 ; P1.B7 4.47,10.437 ; R60.1 4.945,52.689 4.47,52.214 ; R53.2 5.207,58.404 4.47,57.667 4.47,52.214 ; 4.47,10.437 4.47,52.214
NetC1_1: C1.1 D1.2 U2.39 | length 13.3
  Top Layer w0.5: U2.39@31.661,68.564 34.011,68.564 34.231,68.344 35.106,68.344 C1.1 40.576,68.144 42.136,69.704 D1.2
NetD2_2: D2.2 D3.1 | length 1.6
  Top Layer w0.3: D2.2 D3.1
NetD3_2: D3.2 D4.1 | length 1.6
  Top Layer w0.3: D3.2 D4.1
NetD4_2: D4.2 LED1.2 | length 3.6
  Top Layer w0.3: D4.2 1.826,63.939 3.111,65.224 LED1.2
NetLED1_1: LED1.1 R6.1 | length 5.9
  Top Layer w0.3: LED1.1 1.461,67.139 2.378,68.056 4.191,68.056 4.881,67.366 4.881,66.424 R6.1
NetLED1_3: LED1.3 R4.1 | length 2.7
  Top Layer w0.3: LED1.3 3.111,70.539 3.486,70.914 3.761,70.914 3.951,71.104 R4.1@5.281,71.104
NetLED1_4: LED1.4 R5.1 | length 5.2
  Top Layer w0.3: LED1.4 1.698,70.027 1.698,69.19 2.197,68.691 4.881,68.691 5.281,69.091 R5.1
NetN4_1: N4.1 R2.1 | length 2.6
  Top Layer w0.3: R2.1 111.506,10.779 N4.1
NetN5_1: N5.1 R3.1 | length 2.3
  Top Layer w0.3: R3.1 N5.1
NetP1_A5: P1.A5 P1.B5 | length 5.7
  Top Layer w0.3: P1.B5 8.105,7.937 8.763,8.595 8.763,10.144 7.97,10.937 P1.A5
NetR61_1: R61.1 U2.5 | length 4.2
  Top Layer w0.5: R61.1 U2.5@13.081,60.944
RX: C47.1 R1.2 R60.2 U2.7 | length 8.4
  Top Layer w0.5: C47.1 R60.2 R1.2 10.211,54.594 11.481,55.864 U2.7@12.281,55.864
TX: R53.1 R54.1 U2.6 | length 5.3
  Top Layer w0.3: R54.1 R53.1 U2.6@12.281,58.404
pads on no net: P1. P1.A8 P1.B8 S9.3 S9.4 S9.5 S10.3 S10.4 S10.5 S11.3 S11.4 S11.5 S12.3 S12.4 S12.5 S16.3 S16.4 S16.5 S17.3 S17.4 S17.5 S18.3 S18.4 S18.5 S19.3 S19.4 S19.5 S20.3 S20.4 S20.5 S23.3 S23.4 S23.5 S24.3 S24.4 S24.5 S25.3 S25.4 S25.5 S26.3 S26.4 S26.5 S27.3 S27.4 S27.5 S33.3 S33.4 S33.5 S34.3 S34.4 S34.5 S36.3 S36.4 S36.5 S37.3 S37.4 S37.5 U2.30 U2.35 U2.36 U2.37 U2.D1 U2.D3

## Polygon pours and split planes (outlines as drawn)
GND on Bottom Layer "GND_L02_P002" (solid, remove dead copper, pour order 2): 0,73.771 0,-38.354 127.381,-38.354 127.381,74.041
GND on Top Layer "GND_L01_P003" (solid, remove dead copper, pour order 3): 0,73.771 0,-38.354 127.381,-38.354 127.381,74.041

## Keep-outs
Keep-Out Layer:
  the board outline again, w0.7